# KiCad board hypjolin.kicad_pcb (continued)
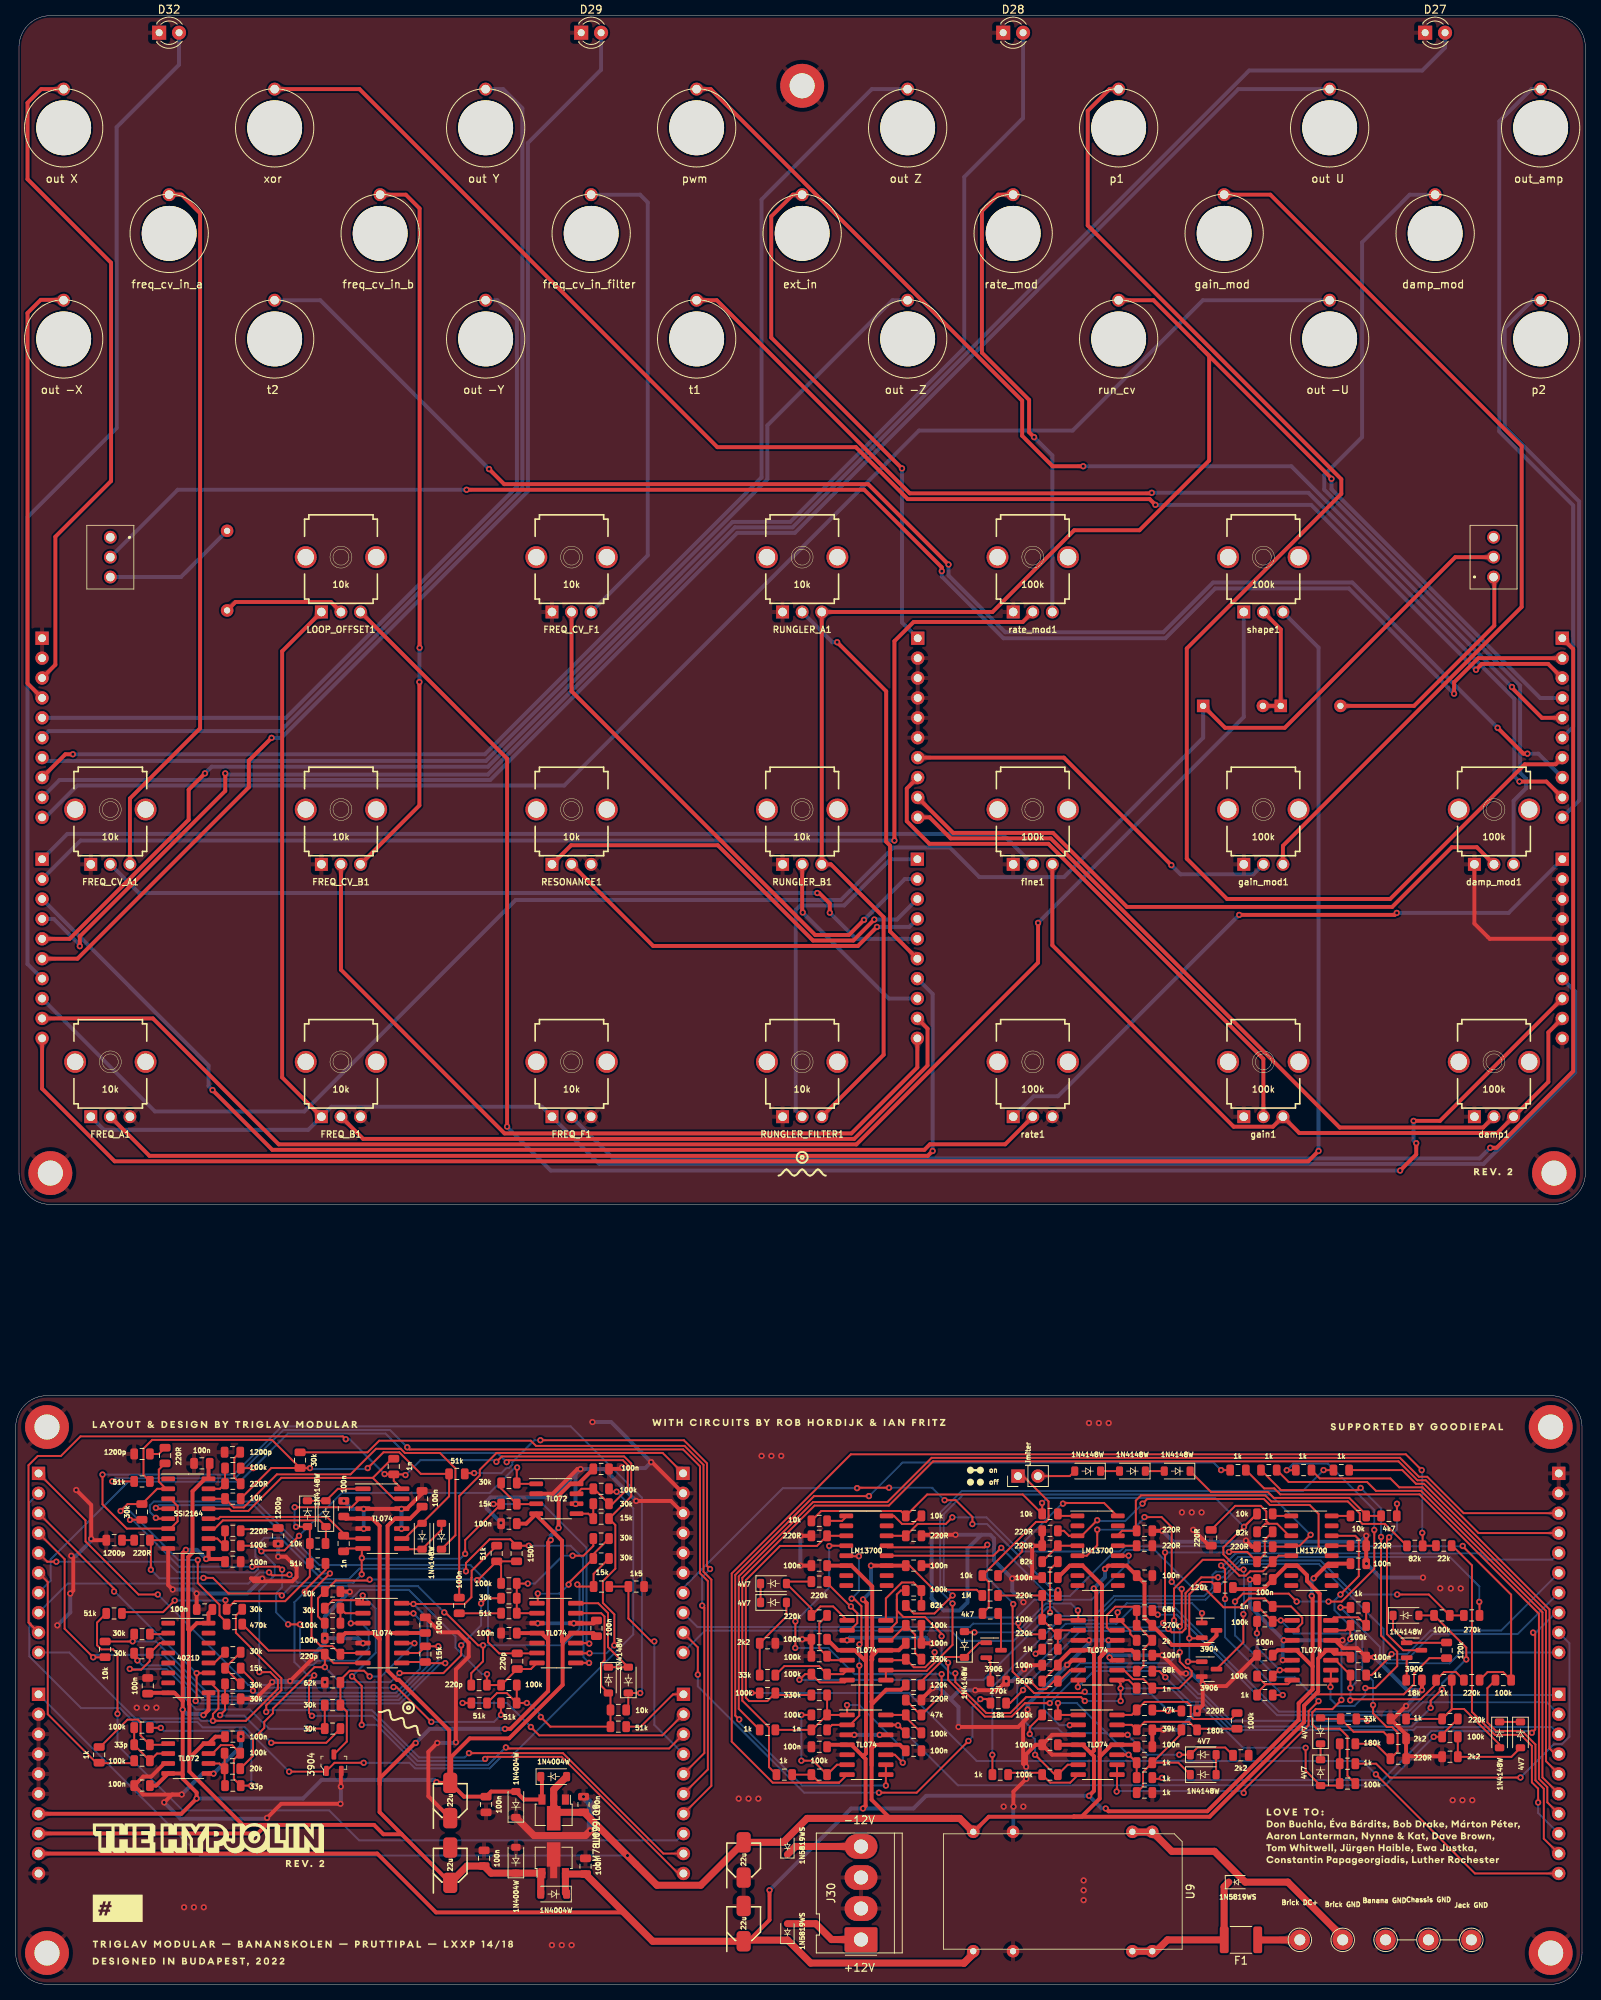
[diagram p0: board, top side]
## Copper pours and planes (outline as drawn; the poured copper is in the pictures) (continued)
/P / ext_in on Top: 99.08,227.86 99.19,227.95 99.28,227.99 99.38,228 99.47,227.99 99.56,227.95 99.65,227.9 99.74,227.84 99.84,227.77 99.95,227.7 100.06,227.64 100.83,228.38 99.83,228.97 99.72,228.86 99.61,228.78 99.51,228.71 99.41,228.66 99.31,228.62 99.21,228.57 99.1,228.51 98.99,228.44 98.86,228.34 98.73,228.21
/P / ext_in on Bottom: 113.81,172.8 113.94,172.65 114.04,172.53 114.12,172.4 114.17,172.29 114.21,172.18 114.24,172.06 114.29,171.81 114.33,171.66 114.38,171.5 115.48,171.48 115.46,172.58 115.3,172.63 115.15,172.67 114.9,172.72 114.78,172.75 114.67,172.79 114.56,172.84 114.44,172.92 114.31,173.02 114.16,173.15
/P / fine_pot on Bottom: 4.39,144.95 4.25,144.82 4.12,144.72 4,144.65 3.88,144.59 3.77,144.55 3.65,144.53 3.4,144.47 3.25,144.43 3.09,144.38 3.07,143.28 4.17,143.3 4.22,143.46 4.26,143.61 4.32,143.86 4.35,143.98 4.38,144.09 4.44,144.21 4.51,144.33 4.61,144.46 4.74,144.6
/P / fine_pot on Bottom: 128.53,143.91 128.66,143.77 128.76,143.65 128.83,143.53 128.88,143.42 128.92,143.31 128.95,143.2 129,142.95 129.04,142.81 129.09,142.65 130.16,142.63 130.14,143.7 129.98,143.75 129.84,143.79 129.6,143.84 129.48,143.87 129.37,143.91 129.26,143.96 129.15,144.04 129.02,144.13 128.88,144.26
/P / freq_a_pot on Top: 13.43,109.73 13.3,109.87 13.2,110 13.13,110.11 13.08,110.23 13.04,110.34 13.01,110.45 12.95,110.69 12.92,110.83 12.87,110.99 11.8,111.01 11.82,109.94 11.98,109.89 12.12,109.86 12.36,109.8 12.47,109.77 12.58,109.73 12.7,109.68 12.81,109.61 12.94,109.51 13.08,109.38
/P / freq_a_pot on Bottom: 116.5,127.32 116.37,127.46 116.27,127.59 116.2,127.71 116.14,127.83 116.11,127.94 116.08,128.06 116.02,128.31 115.98,128.46 115.93,128.62 114.83,128.64 114.85,127.54 115.01,127.49 115.16,127.45 115.41,127.39 115.53,127.37 115.64,127.33 115.76,127.27 115.88,127.2 116.01,127.1 116.15,126.97
/P / freq_b_pot on Top: 116.5,122.24 116.37,122.38 116.27,122.51 116.2,122.63 116.14,122.75 116.11,122.86 116.08,122.98 116.02,123.23 115.98,123.38 115.93,123.54 114.83,123.56 114.85,122.46 115.01,122.41 115.16,122.37 115.41,122.31 115.53,122.29 115.64,122.25 115.76,122.19 115.88,122.12 116.01,122.02 116.15,121.89
/P / freq_b_pot on Top: 42.87,109.73 42.75,109.87 42.65,110 42.58,110.11 42.52,110.23 42.48,110.34 42.45,110.45 42.4,110.69 42.36,110.83 42.31,110.99 41.24,111.01 41.26,109.94 41.42,109.89 41.56,109.86 41.81,109.8 41.92,109.77 42.03,109.73 42.14,109.68 42.26,109.61 42.38,109.51 42.52,109.38
/P / freq_cv_a_pot on Bottom: 113.44,133.17 113.64,133.16 113.8,133.14 113.94,133.11 114.05,133.07 114.16,133.01 114.26,132.95 114.48,132.81 114.61,132.73 114.76,132.66 115.56,133.42 114.76,134.19 114.61,134.11 114.48,134.03 114.26,133.89 114.16,133.83 114.05,133.77 113.94,133.73 113.8,133.7 113.64,133.68 113.44,133.67
/P / freq_cv_a_pot on Bottom: 13.43,141.94 13.3,142.08 13.2,142.2 13.13,142.32 13.08,142.43 13.04,142.54 13.01,142.65 12.95,142.9 12.92,143.04 12.87,143.19 11.8,143.22 11.82,142.15 11.98,142.1 12.12,142.06 12.36,142 12.47,141.98 12.58,141.94 12.7,141.88 12.81,141.81 12.94,141.71 13.08,141.58
/P / freq_cv_b_pot on Top: 115.38,119.03 115.39,119.22 115.41,119.39 115.44,119.52 115.49,119.64 115.54,119.75 115.6,119.85 115.74,120.07 115.82,120.2 115.9,120.35 115.13,121.15 114.37,120.35 114.44,120.2 114.52,120.07 114.66,119.85 114.72,119.75 114.78,119.64 114.82,119.52 114.85,119.39 114.87,119.22 114.88,119.03
/P / freq_cv_b_pot on Top: 41.79,141.28 41.79,141.47 41.81,141.63 41.84,141.76 41.88,141.88 41.93,141.98 41.99,142.08 42.13,142.29 42.2,142.42 42.28,142.56 41.54,143.34 40.79,142.56 40.87,142.42 40.94,142.29 41.08,142.08 41.14,141.98 41.19,141.88 41.23,141.76 41.26,141.63 41.28,141.47 41.29,141.28
/P / freq_f_pot on Top: 198.85,170.76 198.72,170.9 198.62,171.03 198.54,171.15 198.49,171.27 198.45,171.38 198.42,171.5 198.37,171.75 198.33,171.9 198.28,172.06 197.18,172.08 197.2,170.98 197.36,170.93 197.51,170.89 197.76,170.83 197.87,170.8 197.99,170.77 198.1,170.71 198.22,170.64 198.35,170.54 198.5,170.41
/P / freq_f_pot on Bottom: 72.32,109.73 72.19,109.87 72.09,110 72.02,110.11 71.97,110.23 71.93,110.34 71.9,110.45 71.84,110.69 71.81,110.83 71.76,110.99 70.69,111.01 70.71,109.94 70.87,109.89 71.01,109.86 71.25,109.8 71.36,109.77 71.47,109.73 71.58,109.68 71.7,109.61 71.83,109.51 71.97,109.38
/P / gain_mod on Top: 155.94,228.63 155.76,228.64 155.6,228.66 155.46,228.69 155.35,228.73 155.24,228.78 155.14,228.84 154.93,228.98 154.81,229.05 154.66,229.13 153.89,228.38 154.66,227.64 154.81,227.72 154.93,227.79 155.14,227.93 155.24,227.98 155.35,228.03 155.46,228.08 155.6,228.11 155.76,228.13 155.94,228.13
/P / gain_mod on Top: 161.56,144.57 161.56,144.38 161.54,144.22 161.5,144.09 161.46,143.97 161.41,143.87 161.35,143.77 161.22,143.55 161.15,143.43 161.07,143.28 161.81,142.51 162.55,143.28 162.48,143.43 162.4,143.55 162.27,143.77 162.21,143.87 162.16,143.97 162.12,144.09 162.09,144.22 162.07,144.38 162.06,144.57
/P / gain_mod_pot on Top: 116.87,156.79 116.68,156.8 116.51,156.82 116.38,156.85 116.26,156.89 116.15,156.95 116.05,157.01 115.83,157.15 115.7,157.23 115.55,157.3 114.76,156.54 115.55,155.77 115.7,155.85 115.83,155.93 116.05,156.07 116.15,156.13 116.26,156.18 116.38,156.23 116.51,156.26 116.68,156.28 116.87,156.29
/P / gain_mod_pot on Bottom: 158.33,141.58 158.47,141.71 158.59,141.81 158.71,141.88 158.82,141.94 158.93,141.98 159.04,142 159.29,142.06 159.43,142.1 159.58,142.15 159.6,143.22 158.53,143.19 158.49,143.04 158.45,142.9 158.39,142.65 158.36,142.54 158.33,142.43 158.27,142.32 158.2,142.2 158.1,142.08 157.97,141.94
/P / gain_pot on Top: 114.16,152.63 114.31,152.76 114.44,152.86 114.56,152.93 114.67,152.99 114.78,153.02 114.9,153.05 115.15,153.11 115.3,153.15 115.46,153.2 115.48,154.3 114.38,154.28 114.33,154.12 114.29,153.97 114.24,153.72 114.21,153.6 114.17,153.49 114.12,153.37 114.04,153.25 113.94,153.12 113.81,152.98
/P / gain_pot on Top: 159.06,112.36 159.06,112.18 159.04,112.02 159.01,111.88 158.96,111.77 158.91,111.66 158.86,111.56 158.72,111.35 158.65,111.23 158.57,111.08 159.31,110.31 160.06,111.08 159.98,111.23 159.91,111.35 159.77,111.56 159.71,111.66 159.66,111.77 159.62,111.88 159.59,112.02 159.57,112.18 159.56,112.36
/P / LEDU on Bottom: 5.19,136 5.05,136.12 4.92,136.2 4.79,136.25 4.67,136.28 4.56,136.3 4.44,136.32 4.33,136.35 4.21,136.39 4.09,136.46 3.97,136.56 2.95,135.96 3.74,135.19 3.87,135.27 3.99,135.37 4.1,135.47 4.2,135.57 4.3,135.66 4.4,135.73 4.5,135.77 4.61,135.78 4.72,135.74 4.84,135.64
/P / LEDU on Bottom: 182.76,247.26 182.77,247.47 182.79,247.64 182.83,247.78 182.88,247.91 182.94,248.02 183,248.13 183.08,248.24 183.16,248.36 183.24,248.5 183.32,248.66 182.51,249.5 181.7,248.66 181.79,248.5 181.87,248.36 181.95,248.24 182.02,248.13 182.09,248.02 182.15,247.91 182.19,247.78 182.23,247.64 182.25,247.47 182.26,247.26
/P / LEDX on Bottom: 2,129.36 2.13,129.22 2.23,129.09 2.31,128.97 2.36,128.85 2.4,128.74 2.43,128.62 2.48,128.37 2.52,128.22 2.57,128.06 3.67,128.04 3.65,129.14 3.49,129.19 3.34,129.23 3.09,129.29 2.97,129.31 2.86,129.35 2.75,129.41 2.63,129.48 2.5,129.58 2.35,129.71
/P / LEDX on Bottom: 21.11,247.26 21.12,247.47 21.14,247.64 21.18,247.78 21.23,247.91 21.28,248.02 21.35,248.13 21.42,248.24 21.5,248.36 21.59,248.5 21.67,248.66 20.86,249.5 20.05,248.66 20.13,248.5 20.22,248.36 20.3,248.24 20.37,248.13 20.44,248.02 20.49,247.91 20.54,247.78 20.58,247.64 20.6,247.47 20.61,247.26
/P / LEDY on Top: 5.06,131.13 4.87,131.14 4.7,131.16 4.57,131.19 4.45,131.23 4.34,131.29 4.24,131.35 4.02,131.49 3.89,131.57 3.74,131.65 2.95,130.88 3.74,130.12 3.89,130.19 4.02,130.27 4.24,130.41 4.34,130.47 4.45,130.53 4.57,130.57 4.7,130.6 4.87,130.62 5.06,130.63
/P / LEDY on Bottom: 75,247.26 75.01,247.47 75.03,247.64 75.07,247.78 75.11,247.91 75.17,248.02 75.24,248.13 75.31,248.24 75.39,248.36 75.47,248.5 75.56,248.66 74.75,249.5 73.94,248.66 74.02,248.5 74.11,248.36 74.18,248.24 74.26,248.13 74.32,248.02 74.38,247.91 74.43,247.78 74.47,247.64 74.49,247.47 74.5,247.26
/P / LEDZ on Top: 5.06,133.67 4.87,133.68 4.7,133.7 4.57,133.73 4.45,133.77 4.34,133.83 4.24,133.89 4.02,134.03 3.89,134.11 3.74,134.19 2.95,133.42 3.74,132.66 3.89,132.73 4.02,132.81 4.24,132.95 4.34,133.01 4.45,133.07 4.57,133.11 4.7,133.14 4.87,133.16 5.06,133.17
/P / LEDZ on Bottom: 128.88,247.26 128.89,247.47 128.91,247.64 128.95,247.78 129,247.91 129.05,248.02 129.12,248.13 129.19,248.24 129.27,248.36 129.36,248.5 129.44,248.66 128.63,249.5 127.82,248.66 127.9,248.5 127.99,248.36 128.07,248.24 128.14,248.13 128.21,248.02 128.26,247.91 128.31,247.78 128.35,247.64 128.37,247.47 128.38,247.26
/P / offset_switch on Top: 195.79,168.99 195.98,168.98 196.14,168.96 196.28,168.93 196.4,168.88 196.51,168.83 196.61,168.77 196.83,168.63 196.96,168.55 197.11,168.47 197.9,169.24 197.11,170 196.96,169.93 196.83,169.85 196.61,169.71 196.51,169.65 196.4,169.59 196.28,169.55 196.14,169.52 195.98,169.5 195.79,169.49
/P / offset_switch on Bottom: 13.06,183.45 12.93,183.33 12.8,183.23 12.69,183.16 12.58,183.1 12.47,183.07 12.36,183.04 12.12,182.98 11.98,182.95 11.82,182.9 11.8,181.84 12.86,181.86 12.91,182.01 12.95,182.15 13,182.39 13.03,182.5 13.07,182.61 13.12,182.72 13.19,182.84 13.29,182.96 13.42,183.1
/P / out -U on Bottom: 4.56,150.04 4.44,149.93 4.33,149.85 4.22,149.79 4.12,149.75 4.02,149.74 3.91,149.73 3.8,149.74 3.55,149.76 3.4,149.77 2.98,148.75 4.02,148.37 4.14,148.52 4.23,148.65 4.3,148.78 4.36,148.89 4.42,149.01 4.49,149.13 4.56,149.25 4.65,149.38 4.77,149.52 4.92,149.68
/P / out -U on Bottom: 166.13,214.66 166.31,214.66 166.47,214.64 166.61,214.6 166.72,214.56 166.83,214.51 166.93,214.45 167.14,214.32 167.26,214.25 167.41,214.17 168.18,214.91 167.41,215.65 167.26,215.58 167.14,215.5 166.93,215.37 166.83,215.31 166.72,215.26 166.61,215.22 166.47,215.19 166.31,215.17 166.13,215.16
/P / out -X on Top: 2,165.18 2.13,165.03 2.23,164.91 2.31,164.78 2.36,164.67 2.4,164.56 2.43,164.44 2.48,164.19 2.52,164.04 2.57,163.88 3.67,163.86 3.65,164.96 3.49,165.01 3.34,165.05 3.09,165.1 2.97,165.13 2.86,165.17 2.75,165.22 2.63,165.3 2.5,165.4 2.35,165.53
/P / out -X on Top: 4.47,214.71 4.66,214.7 4.81,214.68 4.95,214.65 5.06,214.61 5.16,214.56 5.26,214.5 5.36,214.43 5.46,214.35 5.58,214.27 5.72,214.19 6.53,214.89 5.81,215.67 5.65,215.6 5.52,215.54 5.41,215.47 5.3,215.41 5.2,215.35 5.09,215.31 4.97,215.27 4.83,215.23 4.67,215.22 4.47,215.21
/P / out -Y on Bottom: 61.79,214.98 61.66,215.1 61.53,215.17 61.4,215.22 61.28,215.25 61.16,215.26 61.05,215.28 60.94,215.3 60.82,215.33 60.71,215.4 60.59,215.5 59.59,214.91 60.36,214.17 60.49,214.25 60.61,214.34 60.72,214.44 60.82,214.54 60.92,214.63 61.01,214.71 61.11,214.75 61.21,214.76 61.32,214.72 61.44,214.63
/P / out -Y on Bottom: 5.06,161.87 4.87,161.88 4.7,161.9 4.57,161.93 4.45,161.97 4.34,162.03 4.24,162.09 4.02,162.23 3.89,162.31 3.74,162.38 2.95,161.62 3.74,160.85 3.89,160.93 4.02,161.01 4.24,161.15 4.34,161.21 4.45,161.26 4.57,161.31 4.7,161.34 4.87,161.36 5.06,161.37
/P / out -Z on Bottom: 112.24,214.66 112.43,214.66 112.59,214.64 112.72,214.6 112.84,214.56 112.95,214.51 113.05,214.45 113.26,214.32 113.38,214.25 113.53,214.17 114.3,214.91 113.53,215.65 113.38,215.58 113.26,215.5 113.05,215.37 112.95,215.31 112.84,215.26 112.72,215.22 112.59,215.19 112.43,215.17 112.24,215.16
/P / out -Z on Bottom: 4.97,156.37 4.82,156.38 4.69,156.4 4.58,156.44 4.49,156.49 4.41,156.55 4.34,156.63 4.28,156.71 4.21,156.81 4.14,156.91 4.07,157.03 3,156.75 3.37,155.69 3.56,155.69 3.73,155.71 3.87,155.73 4,155.75 4.26,155.81 4.4,155.83 4.56,155.85 4.75,155.87 4.97,155.87
/P / out U on Bottom: 4.39,152.83 4.25,152.7 4.12,152.6 4,152.52 3.88,152.47 3.77,152.43 3.65,152.4 3.4,152.35 3.25,152.31 3.09,152.26 3.07,151.16 4.17,151.18 4.22,151.34 4.26,151.49 4.32,151.74 4.35,151.86 4.38,151.97 4.44,152.08 4.51,152.21 4.61,152.33 4.74,152.48
/P / out U on Bottom: 166.13,241.6 166.31,241.6 166.47,241.58 166.61,241.55 166.72,241.5 166.83,241.45 166.93,241.4 167.14,241.26 167.26,241.19 167.41,241.11 168.18,241.85 167.41,242.6 167.26,242.52 167.14,242.45 166.93,242.31 166.83,242.25 166.72,242.2 166.61,242.16 166.47,242.13 166.31,242.11 166.13,242.1
/P / out X on Top: 4.48,241.6 4.67,241.6 4.83,241.58 4.96,241.55 5.08,241.5 5.18,241.45 5.28,241.4 5.49,241.26 5.62,241.19 5.76,241.11 6.54,241.85 5.76,242.6 5.62,242.52 5.49,242.45 5.28,242.31 5.18,242.25 5.08,242.2 4.96,242.16 4.83,242.13 4.67,242.11 4.48,242.1
/P / out X on Top: 4.39,168.07 4.25,167.94 4.12,167.84 4,167.76 3.88,167.71 3.77,167.67 3.65,167.64 3.4,167.59 3.25,167.55 3.09,167.5 3.07,166.4 4.17,166.42 4.22,166.58 4.26,166.73 4.32,166.98 4.35,167.1 4.38,167.21 4.44,167.32 4.51,167.45 4.61,167.57 4.74,167.72
/P / out Y on Bottom: 4.72,160.18 4.53,160.17 4.37,160.15 4.24,160.13 4.12,160.09 4.01,160.05 3.9,160.02 3.79,159.98 3.67,159.96 3.53,159.94 3.37,159.93 3.07,158.78 4.17,158.8 4.21,158.93 4.24,159.05 4.26,159.17 4.28,159.29 4.31,159.4 4.35,159.49 4.4,159.57 4.48,159.63 4.58,159.67 4.72,159.68
/P / out Y on Bottom: 61.65,242.1 61.46,242.11 61.3,242.13 61.17,242.16 61.05,242.2 60.95,242.25 60.85,242.31 60.64,242.45 60.51,242.52 60.36,242.6 59.59,241.85 60.36,241.11 60.51,241.19 60.64,241.26 60.85,241.4 60.95,241.45 61.05,241.5 61.17,241.55 61.3,241.58 61.46,241.6 61.65,241.6
/P / out Z on Top: 4.39,155.37 4.25,155.24 4.12,155.14 4,155.06 3.88,155.01 3.77,154.97 3.65,154.94 3.4,154.89 3.25,154.85 3.09,154.8 3.07,153.7 4.17,153.72 4.22,153.88 4.26,154.03 4.32,154.28 4.35,154.4 4.38,154.51 4.44,154.62 4.51,154.75 4.61,154.87 4.74,155.02
/P / out Z on Bottom: 112.24,241.6 112.43,241.6 112.59,241.58 112.72,241.55 112.84,241.5 112.95,241.45 113.05,241.4 113.26,241.26 113.38,241.19 113.53,241.11 114.3,241.85 113.53,242.6 113.38,242.52 113.26,242.45 113.05,242.31 112.95,242.25 112.84,242.2 112.72,242.16 112.59,242.13 112.43,242.11 112.24,242.1
/P / OUT_AMP on Bottom: 193.38,241.33 193.48,241.42 193.58,241.46 193.67,241.48 193.76,241.46 193.85,241.42 193.94,241.37 194.04,241.31 194.14,241.24 194.24,241.17 194.35,241.11 195.12,241.85 194.13,242.44 194.01,242.33 193.9,242.25 193.8,242.19 193.7,242.13 193.6,242.09 193.5,242.04 193.39,241.98 193.28,241.91 193.16,241.81 193.02,241.69
/P / OUT_AMP on Bottom: 198.5,160.45 198.35,160.32 198.22,160.22 198.1,160.14 197.99,160.09 197.87,160.05 197.76,160.02 197.51,159.97 197.36,159.93 197.2,159.88 197.18,158.78 198.28,158.8 198.33,158.96 198.37,159.11 198.42,159.36 198.45,159.48 198.49,159.59 198.54,159.7 198.62,159.83 198.72,159.95 198.85,160.1
/P / P1 on Top: 196.13,155.44 196.32,155.45 196.48,155.47 196.61,155.49 196.73,155.53 196.84,155.56 196.95,155.6 197.06,155.63 197.18,155.66 197.31,155.68 197.48,155.69 197.78,156.84 196.67,156.82 196.64,156.69 196.61,156.57 196.59,156.44 196.57,156.33 196.54,156.22 196.5,156.13 196.45,156.05 196.37,155.99 196.27,155.95 196.13,155.94
/P / P1 on Top: 139.49,241.33 139.6,241.42 139.69,241.46 139.79,241.48 139.88,241.46 139.97,241.42 140.06,241.37 140.16,241.31 140.25,241.24 140.36,241.17 140.47,241.11 141.24,241.85 140.25,242.44 140.13,242.33 140.02,242.25 139.92,242.19 139.82,242.13 139.72,242.09 139.62,242.04 139.51,241.98 139.4,241.91 139.28,241.81 139.14,241.69
/P / P2 on Bottom: 198.5,150.29 198.35,150.16 198.22,150.06 198.1,149.98 197.99,149.93 197.87,149.89 197.76,149.86 197.51,149.81 197.36,149.77 197.2,149.72 197.18,148.62 198.28,148.64 198.33,148.8 198.37,148.95 198.42,149.2 198.45,149.32 198.49,149.43 198.54,149.54 198.62,149.67 198.72,149.79 198.85,149.94
/P / P2 on Bottom: 193.42,214.28 193.52,214.37 193.61,214.42 193.7,214.44 193.79,214.44 193.87,214.42 193.96,214.38 194.05,214.34 194.25,214.23 194.35,214.17 195.12,214.91 194.13,215.5 194.01,215.38 193.91,215.29 193.81,215.22 193.71,215.15 193.53,215.03 193.43,214.96 193.32,214.87 193.2,214.77 193.07,214.64
/P / PWM on Top: 195.79,161.37 195.98,161.36 196.14,161.34 196.28,161.31 196.4,161.26 196.51,161.21 196.61,161.15 196.83,161.01 196.96,160.93 197.11,160.85 197.9,161.62 197.11,162.38 196.96,162.31 196.83,162.23 196.61,162.09 196.51,162.03 196.4,161.97 196.28,161.93 196.14,161.9 195.98,161.88 195.79,161.87
/P / PWM on Top: 88.59,242.1 88.4,242.11 88.24,242.13 88.11,242.16 87.99,242.2 87.89,242.25 87.79,242.31 87.58,242.45 87.45,242.52 87.31,242.6 86.53,241.85 87.31,241.11 87.45,241.19 87.58,241.26 87.79,241.4 87.89,241.45 87.99,241.5 88.11,241.55 88.24,241.58 88.4,241.6 88.59,241.6
/P / rate_mod on Top: 125.71,228.13 125.9,228.13 126.06,228.11 126.2,228.08 126.31,228.03 126.42,227.98 126.52,227.93 126.73,227.79 126.85,227.72 127,227.64 127.77,228.38 127,229.13 126.85,229.05 126.73,228.98 126.52,228.84 126.42,228.78 126.31,228.73 126.2,228.69 126.06,228.66 125.9,228.64 125.71,228.63
/P / rate_mod on Bottom: 132.12,176.77 132.11,176.58 132.09,176.43 132.06,176.29 132.02,176.18 131.97,176.07 131.91,175.97 131.78,175.76 131.7,175.63 131.63,175.49 132.37,174.72 133.11,175.49 133.03,175.63 132.96,175.76 132.83,175.97 132.77,176.07 132.72,176.18 132.68,176.29 132.64,176.43 132.62,176.58 132.62,176.77
/P / rate_mod_pot on Top: 128.88,173.79 129.02,173.92 129.15,174.02 129.26,174.09 129.37,174.14 129.48,174.18 129.6,174.21 129.84,174.26 129.98,174.3 130.14,174.35 130.16,175.42 129.09,175.4 129.04,175.24 129,175.1 128.95,174.86 128.92,174.74 128.88,174.63 128.83,174.52 128.76,174.41 128.66,174.28 128.53,174.14
/P / rate_mod_pot on Bottom: 4.39,142.41 4.25,142.28 4.12,142.18 4,142.11 3.88,142.05 3.77,142.01 3.65,141.99 3.4,141.93 3.25,141.89 3.09,141.84 3.07,140.74 4.17,140.76 4.22,140.92 4.26,141.07 4.32,141.32 4.35,141.44 4.38,141.55 4.44,141.67 4.51,141.79 4.61,141.92 4.74,142.06
/P / rate_pot on Top: 128.88,109.38 129.02,109.51 129.15,109.61 129.26,109.68 129.37,109.73 129.48,109.77 129.6,109.8 129.84,109.86 129.98,109.89 130.14,109.94 130.16,111.01 129.09,110.99 129.04,110.83 129,110.69 128.95,110.45 128.92,110.34 128.88,110.23 128.83,110.11 128.76,110 128.66,109.87 128.53,109.73
/P / rate_pot on Bottom: 4.74,137.48 4.61,137.62 4.51,137.75 4.44,137.87 4.38,137.99 4.35,138.1 4.32,138.22 4.26,138.47 4.22,138.62 4.17,138.78 3.07,138.8 3.09,137.7 3.25,137.65 3.4,137.61 3.65,137.55 3.77,137.53 3.88,137.49 4,137.43 4.12,137.36 4.25,137.26 4.39,137.13
/P / reso_pot_A on Top: 72.32,141.94 72.19,142.08 72.09,142.2 72.02,142.32 71.97,142.43 71.93,142.54 71.9,142.65 71.84,142.9 71.81,143.04 71.76,143.19 70.69,143.22 70.71,142.15 70.87,142.1 71.01,142.06 71.25,142 71.36,141.98 71.47,141.94 71.58,141.88 71.7,141.81 71.83,141.71 71.97,141.58
/P / reso_pot_A on Bottom: 113.85,134.69 114.04,134.7 114.19,134.73 114.32,134.78 114.43,134.84 114.53,134.9 114.63,134.96 114.73,135.02 114.84,135.07 114.97,135.1 115.13,135.11 115.43,136.26 114.33,136.24 114.29,136.1 114.27,135.95 114.26,135.81 114.26,135.67 114.25,135.54 114.22,135.42 114.18,135.33 114.11,135.25 114,135.2 113.85,135.19
/P / reso_pot_B on Top: 69.47,144.26 69.33,144.13 69.2,144.04 69.09,143.96 68.97,143.91 68.86,143.87 68.75,143.84 68.51,143.79 68.37,143.75 68.21,143.7 68.19,142.63 69.26,142.65 69.31,142.81 69.34,142.95 69.4,143.2 69.43,143.31 69.47,143.42 69.52,143.53 69.59,143.65 69.69,143.77 69.82,143.91
/P / reso_pot_B on Bottom: 114.11,137.13 114.26,137.26 114.39,137.36 114.51,137.43 114.62,137.49 114.73,137.53 114.85,137.55 115.1,137.61 115.25,137.65 115.41,137.7 115.43,138.8 114.33,138.78 114.28,138.62 114.24,138.47 114.19,138.22 114.16,138.1 114.12,137.99 114.07,137.87 113.99,137.75 113.89,137.62 113.76,137.48
/P / run_a_pot on Top: 113.76,131.9 113.89,131.76 113.99,131.63 114.07,131.51 114.12,131.39 114.16,131.28 114.19,131.16 114.24,130.91 114.28,130.76 114.33,130.6 115.43,130.58 115.41,131.68 115.25,131.73 115.1,131.77 114.85,131.83 114.73,131.85 114.62,131.89 114.51,131.95 114.39,132.02 114.26,132.12 114.11,132.25
/P / run_a_pot on Bottom: 101.76,174.14 101.63,174.28 101.54,174.41 101.46,174.52 101.41,174.63 101.37,174.74 101.34,174.86 101.29,175.1 101.25,175.24 101.2,175.4 100.13,175.42 100.15,174.35 100.31,174.3 100.45,174.26 100.7,174.21 100.81,174.18 100.92,174.14 101.03,174.09 101.15,174.02 101.27,173.92 101.41,173.79
/P / run_b_pot on Top: 100.67,141.28 100.68,141.47 100.7,141.63 100.73,141.76 100.77,141.88 100.82,141.98 100.88,142.08 101.02,142.29 101.09,142.42 101.17,142.56 100.42,143.34 99.68,142.56 99.76,142.42 99.83,142.29 99.97,142.08 100.02,141.98 100.08,141.88 100.12,141.76 100.15,141.63 100.17,141.47 100.17,141.28
/P / run_b_pot on Bottom: 113.44,125.55 113.64,125.54 113.8,125.52 113.94,125.49 114.05,125.45 114.16,125.39 114.26,125.33 114.48,125.19 114.61,125.11 114.76,125.03 115.56,125.8 114.76,126.56 114.61,126.49 114.48,126.41 114.26,126.27 114.16,126.21 114.05,126.15 113.94,126.11 113.8,126.08 113.64,126.06 113.44,126.05
/P / RUN_CV on Top: 142.47,215.16 142.28,215.17 142.13,215.19 141.99,215.22 141.88,215.26 141.77,215.31 141.67,215.37 141.46,215.5 141.33,215.58 141.19,215.65 140.42,214.91 141.19,214.17 141.33,214.25 141.46,214.32 141.67,214.45 141.77,214.51 141.88,214.56 141.99,214.6 142.13,214.64 142.28,214.66 142.47,214.66
/P / RUN_CV on Top: 104.57,175.38 104.38,175.39 104.22,175.41 104.09,175.44 103.97,175.48 103.87,175.53 103.77,175.59 103.55,175.72 103.43,175.79 103.28,175.87 102.51,175.13 103.28,174.39 103.43,174.46 103.55,174.54 103.77,174.67 103.87,174.73 103.97,174.78 104.09,174.82 104.22,174.85 104.38,174.87 104.57,174.88
/P / RUN_CV on Top: 104.61,142.76 104.48,142.88 104.35,142.98 104.24,143.05 104.13,143.11 104.03,143.16 103.93,143.2 103.83,143.26 103.73,143.32 103.62,143.4 103.51,143.51 102.51,142.92 103.28,142.18 103.39,142.24 103.5,142.31 103.6,142.38 103.69,142.44 103.78,142.49 103.87,142.53 103.96,142.55 104.06,142.53 104.16,142.49 104.26,142.4
/P / RUN_CV on Top: 103.91,112.06 103.77,111.93 103.65,111.83 103.53,111.76 103.42,111.71 103.31,111.67 103.2,111.64 102.95,111.58 102.81,111.55 102.65,111.5 102.63,110.43 103.7,110.45 103.75,110.61 103.79,110.75 103.84,110.99 103.87,111.1 103.91,111.21 103.96,111.32 104.04,111.44 104.13,111.57 104.26,111.71
/P / RUN_CV on Top: 102.67,144.57 102.67,144.38 102.65,144.22 102.62,144.09 102.57,143.97 102.52,143.87 102.47,143.77 102.33,143.55 102.26,143.43 102.18,143.28 102.92,142.51 103.67,143.28 103.59,143.43 103.52,143.55 103.38,143.77 103.32,143.87 103.27,143.97 103.23,144.09 103.2,144.22 103.18,144.38 103.17,144.57
/P / RUN_CV on Top: 103.17,173.48 103.18,173.67 103.2,173.83 103.23,173.97 103.27,174.08 103.32,174.19 103.38,174.29 103.52,174.5 103.59,174.62 103.67,174.77 102.92,175.54 102.18,174.77 102.26,174.62 102.33,174.5 102.47,174.29 102.52,174.19 102.57,174.08 102.62,173.97 102.65,173.83 102.67,173.67 102.67,173.48
/P / RUN_CV on Bottom: 195.79,163.91 195.98,163.9 196.14,163.88 196.28,163.85 196.4,163.8 196.51,163.75 196.61,163.69 196.83,163.55 196.96,163.47 197.11,163.39 197.9,164.16 197.11,164.92 196.96,164.85 196.83,164.77 196.61,164.63 196.51,164.57 196.4,164.51 196.28,164.47 196.14,164.44 195.98,164.42 195.79,164.41
/P / run_f_pot on Bottom: 113.44,143.33 113.64,143.32 113.8,143.3 113.94,143.27 114.05,143.23 114.16,143.17 114.26,143.11 114.48,142.97 114.61,142.89 114.76,142.81 115.56,143.58 114.76,144.34 114.61,144.27 114.48,144.19 114.26,144.05 114.16,143.99 114.05,143.93 113.94,143.89 113.8,143.86 113.64,143.84 113.44,143.83
/P / run_f_pot on Bottom: 99.35,112.03 99.36,111.85 99.38,111.69 99.4,111.56 99.44,111.45 99.47,111.34 99.51,111.24 99.55,111.13 99.57,111.01 99.59,110.88 99.6,110.72 100.72,110.43 100.69,111.5 100.57,111.53 100.45,111.56 100.33,111.58 100.22,111.6 100.12,111.63 100.03,111.67 99.96,111.72 99.9,111.8 99.86,111.9 99.85,112.03